# Altium PCB foxbms2-master.PcbDoc (part 2 of 12) (continued)
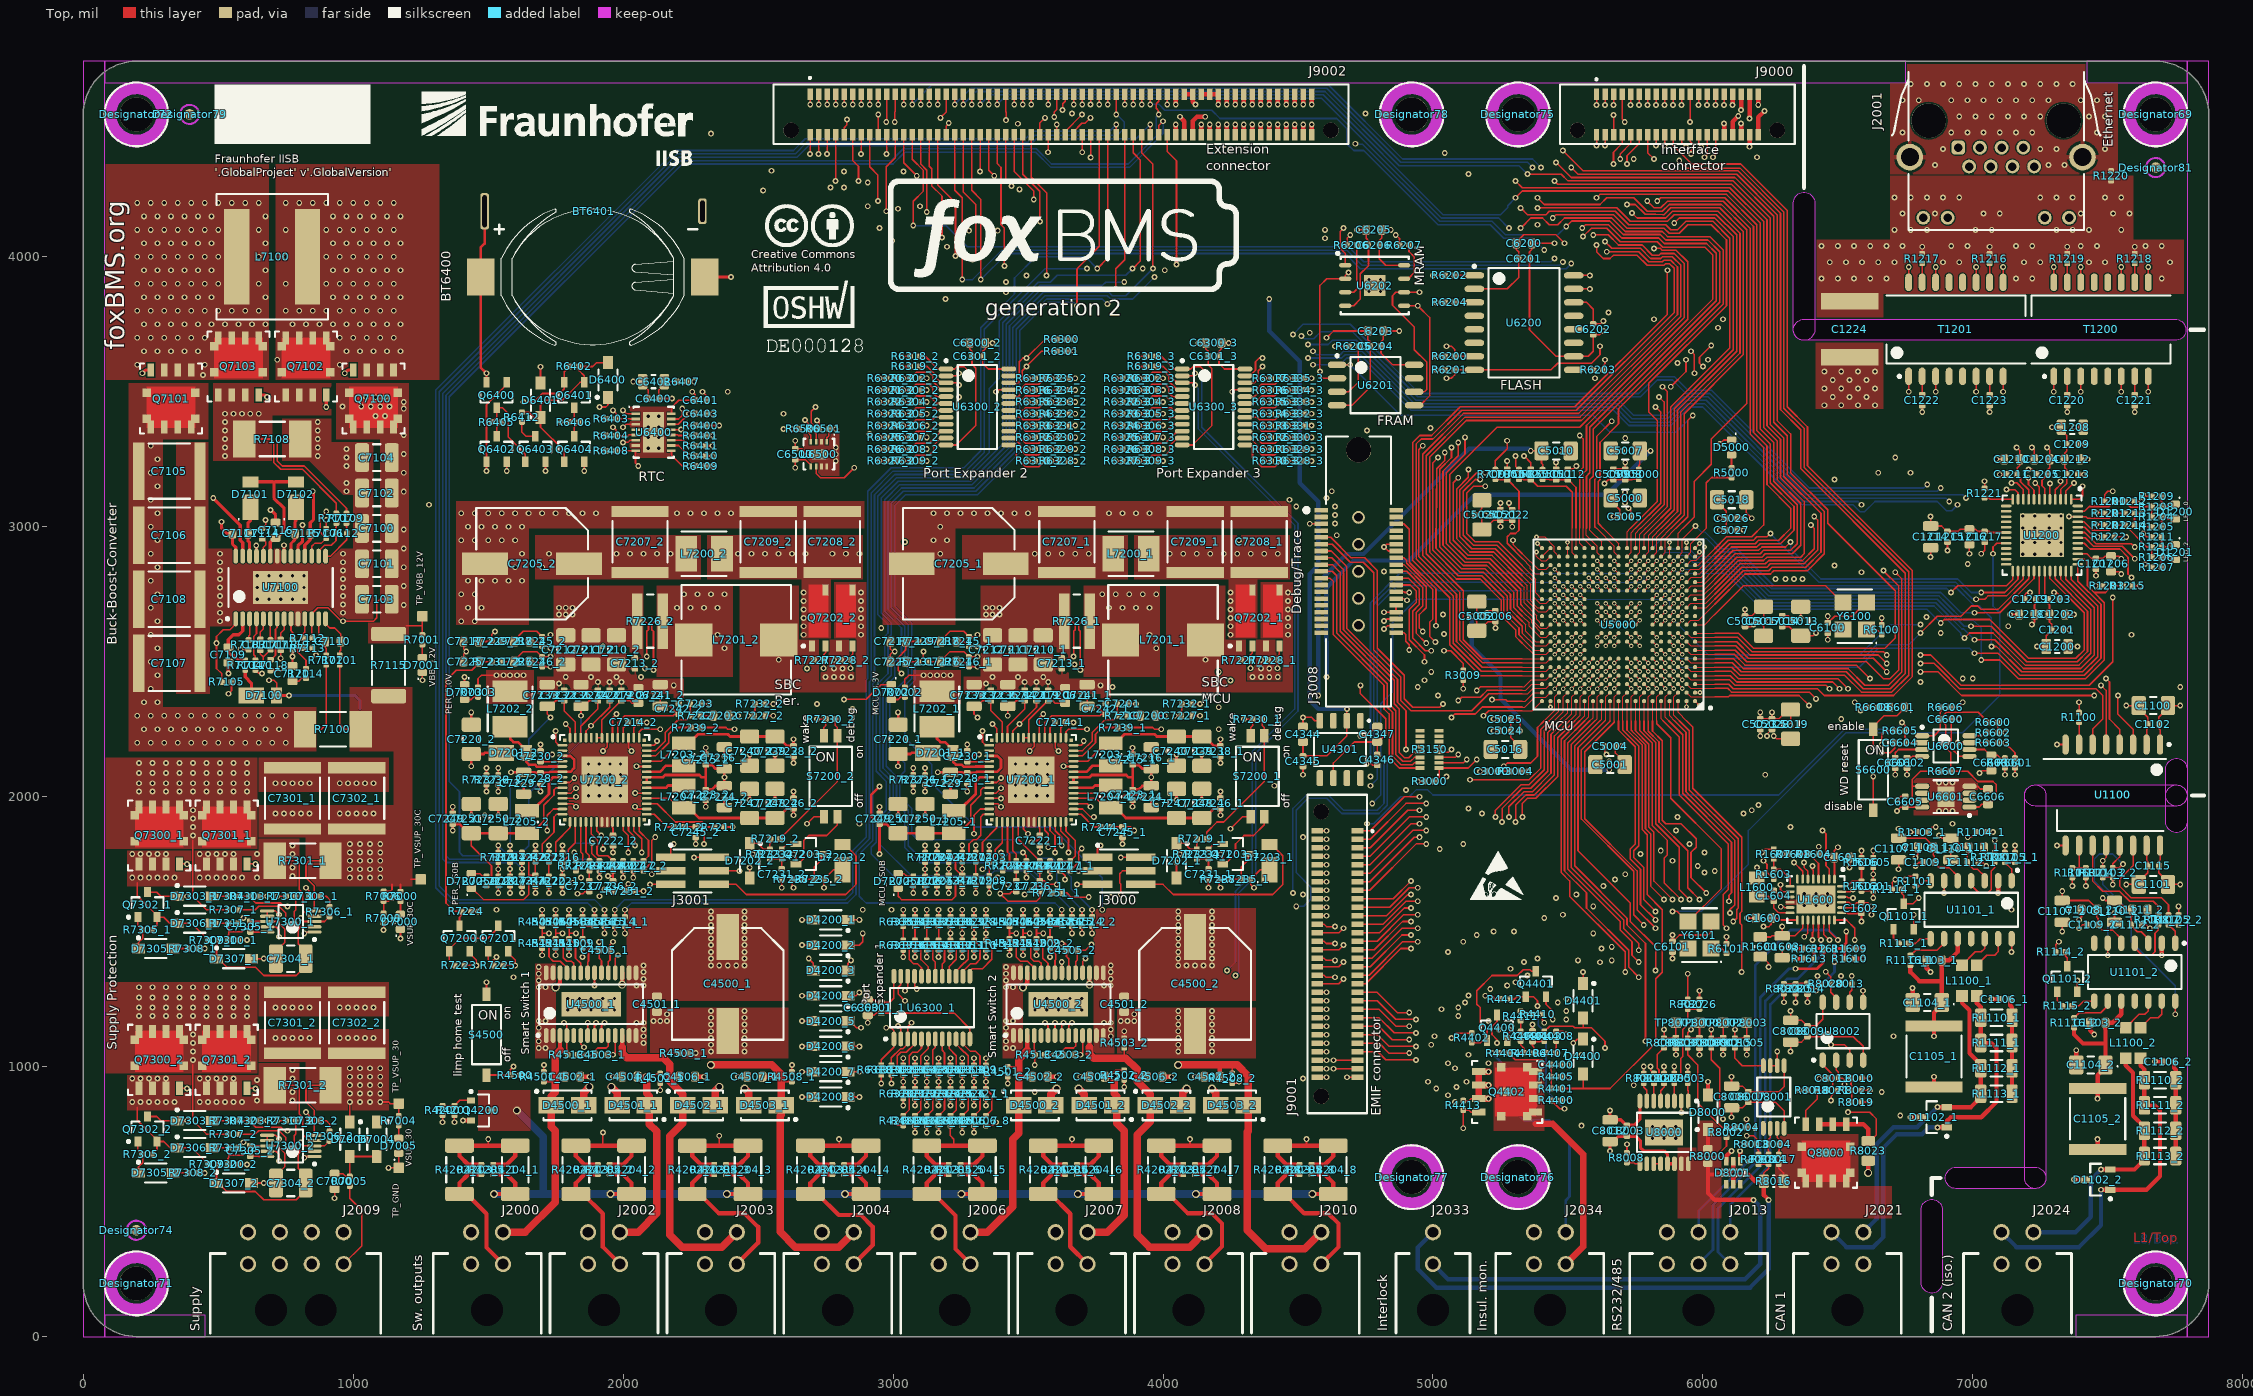
[diagram p0: Top view]
## Components (designator, comment, footprint, x,y, rotation, side; value= is the part's Value field where it differs from the comment) (continued)
R1204 "120R" RESC1005X04N 7681.25,3037.5 r180 top locked
R1205 "120R" RESC1005X04N 7681.25,3000 r180 top
R1206 "120R" RESC1005X04N 7681.25,2887.5 r180 top locked
R1207 "120R" RESC1005X04N 7681.25,2850 r180 top
R1208 "0R" RESC1005X04N 7681.25,3075 r0 top
R1209 "0R" RESC1005X04N 7681.25,3112.5 r0 top
R1210 "0R" RESC1005X04N 7681.25,2925 r0 top
R1211 "0R" RESC1005X04N 7681.25,2962.5 r0 top
R1212 "2k49" RESC1005X04N 7581.25,3093.75 r180 top
R1213 "2k49" RESC1005X04N 7581.25,3050 r180 top
R1214 "2k49" RESC1005X04N 7581.25,3006.25 r180 top
R1215 "2k49" RESC1005X04N 7573.97,2781.25 r180 top
R1216 "75R" RESC1005X04N 7062.5,3993.75 r270 top
R1217 "75R" RESC1005X04N 6812.5,3993.75 r270 top
R1218 "75R" RESC1005X04N 7600,3993.75 r270 top
R1219 "75R" RESC1005X04N 7350,3993.75 r270 top
R1220 "75R" RESC1005X04N 7512.5,4300 r90 top
R1221 "11k" RESC1005X04N 7043.75,3125 r270 top locked
R1222 "5k1" RESC1005X04N 7506.25,2962.5 r0 top locked
R1600 "2R" RESC2012X05N 6212.5,1443.75 r90 top
R1601 "10k" RESC1005X04N 6631.25,1668.75 r270 top locked
R1602 "10k" RESC1005X04N 6587.5,1668.75 r270 top locked
R1603 "10k" RESC1005X04N 6262.5,1712.5 r270 top locked
R1604 "10k" RESC1005X04N 6411.47,1787.5 r0 top locked
R1605 "10k" RESC1005X04N 6631.25,1756.25 r270 top
R1606 "10k" RESC1005X04N 6587.5,1756.25 r270 top
R1607 "10k" RESC1005X04N 6262.5,1787.5 r270 top
R1608 "10k" RESC1005X04N 6336.47,1787.5 r0 top
R1609 "390R" RESC1005X04N 6543.75,1437.5 r0 top
R1610 "390R" RESC1005X04N 6543.75,1400 r0 top locked
R1611 "220R" RESC1005X04N 6468.75,1437.5 r0 top locked
R1612 "390R" RESC1005X04N 6393.75,1437.5 r0 top
R1613 "390R" RESC1005X04N 6393.75,1400 r0 top
R3000 "5k1" RESC1005X04N 4987.5,2056.25 r0 top locked
R3004 "5k1" RESC1005X04N 5306.25,2093.75 r0 top
R3009 "5k1" RESC1005X04N 5112.5,2450 r270 top
R3150 "22R" PANASONIC_EXB2HV 4987.5,2175 r180 top locked
R4200 "100R" RESC1005X04N 1331.25,837.5 r90 top locked
R4201 "10k" RESC1005X04N 1375,837.5 r90 top
R4202_1 "86R6" RESC5025X07N 1393.75,617.72 r270 top (schematic designator R4202)
R4202_2 "86R6" RESC5025X07N 1825,617.72 r270 top (schematic designator R4202)
R4202_3 "86R6" RESC5025X07N 2256.25,617.72 r270 top (schematic designator R4202)
R4202_4 "86R6" RESC5025X07N 2693.75,617.72 r270 top (schematic designator R4202)
R4202_5 "86R6" RESC5025X07N 3125,617.72 r270 top (schematic designator R4202)
R4202_6 "86R6" RESC5025X07N 3556.25,617.72 r270 top (schematic designator R4202)
R4202_7 "86R6" RESC5025X07N 3993.75,617.72 r270 top (schematic designator R4202)
R4202_8 "86R6" RESC5025X07N 4425,617.72 r270 top (schematic designator R4202)
R4203_1 "5k6" RESC1005X04N 1475,618.75 r270 top locked (schematic designator R4203)
R4203_2 "5k6" RESC1005X04N 1906.25,618.75 r270 top locked (schematic designator R4203)
R4203_3 "5k6" RESC1005X04N 2337.5,618.75 r270 top locked (schematic designator R4203)
R4203_4 "5k6" RESC1005X04N 2775,618.75 r270 top locked (schematic designator R4203)
R4203_5 "5k6" RESC1005X04N 3206.25,618.75 r270 top locked (schematic designator R4203)
R4203_6 "5k6" RESC1005X04N 3637.5,618.75 r270 top locked (schematic designator R4203)
R4203_7 "5k6" RESC1005X04N 4075,618.75 r270 top locked (schematic designator R4203)
R4203_8 "5k6" RESC1005X04N 4506.25,618.75 r270 top locked (schematic designator R4203)
R4204_1 "33R" RESC5025X07N 1600,617.72 r90 top (schematic designator R4204)
R4204_2 "33R" RESC5025X07N 2031.25,617.72 r90 top (schematic designator R4204)
R4204_3 "33R" RESC5025X07N 2462.5,617.72 r90 top (schematic designator R4204)
R4204_4 "33R" RESC5025X07N 2900,617.72 r90 top (schematic designator R4204)
R4204_5 "33R" RESC5025X07N 3331.25,617.72 r90 top (schematic designator R4204)
R4204_6 "33R" RESC5025X07N 3762.5,617.72 r90 top (schematic designator R4204)
R4204_7 "33R" RESC5025X07N 4200,617.72 r90 top (schematic designator R4204)
R4204_8 "33R" RESC5025X07N 4631.25,617.72 r90 top (schematic designator R4204)
R4205_1 "2k49" RESC1005X04N 1518.75,618.75 r90 top (schematic designator R4205)
R4205_2 "2k49" RESC1005X04N 1950,618.75 r90 top (schematic designator R4205)
R4205_3 "2k49" RESC1005X04N 2381.25,618.75 r90 top (schematic designator R4205)
R4205_4 "2k49" RESC1005X04N 2818.75,618.75 r90 top (schematic designator R4205)
R4205_5 "2k49" RESC1005X04N 3250,618.75 r90 top (schematic designator R4205)
R4205_6 "2k49" RESC1005X04N 3681.25,618.75 r90 top (schematic designator R4205)
R4205_7 "2k49" RESC1005X04N 4118.75,618.75 r90 top (schematic designator R4205)
R4205_8 "2k49" RESC1005X04N 4550,618.75 r90 top (schematic designator R4205)
R4206_1 "5k6" RESC1005X04N 3037.5,800 r270 top (schematic designator R4206)
R4206_2 "5k6" RESC1005X04N 3081.25,800 r270 top (schematic designator R4206)
R4206_3 "5k6" RESC1005X04N 3125,800 r270 top (schematic designator R4206)
R4206_4 "5k6" RESC1005X04N 3168.75,800 r270 top (schematic designator R4206)
R4206_5 "5k6" RESC1005X04N 3212.5,800 r270 top (schematic designator R4206)
R4206_6 "5k6" RESC1005X04N 3256.25,800 r270 top (schematic designator R4206)
R4206_7 "5k6" RESC1005X04N 3300,800 r270 top (schematic designator R4206)
R4206_8 "5k6" RESC1005X04N 3343.75,800 r270 top (schematic designator R4206)
R4400 "100R" RESC1005X04N 5456.25,875 r180 top
R4401 "10k" RESC1005X04N 5456.25,918.75 r0 top
R4402 "10k" RESC1005X04N 5143.75,1106.25 r90 top
R4403 "10k" RESC1005X04N 5412.5,1112.5 r90 top
R4404 "1k5" RESC1005X04N 5262.5,1050 r180 top
R4405 "680R" RESC1005X04N 5456.25,962.5 r180 top
R4406 "1k5" RESC1005X04N 5356.25,1050 r180 top
R4407 "680R" RESC1005X04N 5437.5,1050 r180 top
R4408 "0R" RESC1005X04N 5456.25,1112.5 r270 top
R4409 "1k5" RESC1005X04N 5325,1112.5 r90 top
R4410 "0R" RESC1005X04N 5387.5,1193.75 r0 top
R4411 "680R" RESC1005X04N 5325,1187.5 r270 top
R4412 "10k" RESC1005X04N 5268.75,1250 r0 top
R4413 "10k" RESC1005X04N 5112.5,856.25 r270 top
R4500 "10k" RESC1005X04N 1600,968.75 r180 top
R4501_1 "47k5" RESC1005X04N 1706.25,962.5 r270 top locked (schematic designator R4501)
R4501_2 "47k5" RESC1005X04N 3425,981.25 r90 top locked (schematic designator R4501)
R4502_1 "47k5" RESC1005X04N 2137.5,956.25 r90 top locked (schematic designator R4502)
R4502_2 "47k5" RESC1005X04N 3856.25,968.75 r90 top locked (schematic designator R4502)
R4503_1 "47k5" RESC1005X04N 2225,1050 r180 top locked (schematic designator R4503)
R4503_2 "47k5" RESC1005X04N 3856.25,1087.5 r270 top locked (schematic designator R4503)
R4504_1 "10k" RESC1005X04N 1850,1537.5 r90 top locked (schematic designator R4504)
R4504_2 "10k" RESC1005X04N 3581.25,1537.5 r90 top locked (schematic designator R4504)
R4505_1 "10k" RESC1005X04N 1800,1537.5 r90 top locked (schematic designator R4505)
R4505_2 "10k" RESC1005X04N 3531.25,1537.5 r90 top locked (schematic designator R4505)
R4506_1 "10k" RESC1005X04N 1750,1537.5 r90 top locked (schematic designator R4506)
R4506_2 "10k" RESC1005X04N 3481.25,1537.5 r90 top locked (schematic designator R4506)
R4507_1 "10k" RESC1005X04N 1700,1537.5 r90 top locked (schematic designator R4507)
R4507_2 "10k" RESC1005X04N 3431.25,1537.5 r90 top locked (schematic designator R4507)
R4508_1 "47k5" RESC1005X04N 2625,962.5 r270 top locked (schematic designator R4508)
R4508_2 "47k5" RESC1005X04N 4256.25,956.25 r90 top locked (schematic designator R4508)
R4509_1 "10k" RESC1005X04N 1850,1456.25 r90 top (schematic designator R4509)
R4509_2 "10k" RESC1005X04N 3581.25,1456.25 r90 top (schematic designator R4509)
R4510_1 "10k" RESC1005X04N 1800,1456.25 r90 top (schematic designator R4510)
R4510_2 "10k" RESC1005X04N 3531.25,1456.25 r90 top (schematic designator R4510)
R4511_1 "10k" RESC1005X04N 1750,1456.25 r90 top (schematic designator R4511)
R4511_2 "10k" RESC1005X04N 3481.25,1456.25 r90 top (schematic designator R4511)
R4512_1 "10k" RESC1005X04N 1700,1456.25 r90 top (schematic designator R4512)
R4512_2 "10k" RESC1005X04N 3431.25,1456.25 r90 top (schematic designator R4512)
R4513_1 "47k5" RESC1005X04N 1812.5,1043.75 r0 top (schematic designator R4513)
R4513_2 "47k5" RESC1005X04N 3543.75,1043.75 r0 top (schematic designator R4513)
R4514_1 "0R" RESC1005X04N 2006.25,1537.5 r270 top (schematic designator R4514)
R4514_2 "0R" RESC1005X04N 3737.5,1537.5 r270 top (schematic designator R4514)
R4515_1 "0R" RESC1005X04N 1968.75,1537.5 r270 top (schematic designator R4515)
R4515_2 "0R" RESC1005X04N 3700,1537.5 r270 top (schematic designator R4515)
R4516_1 "0R" RESC1005X04N 1931.25,1537.5 r270 top (schematic designator R4516)
R4516_2 "0R" RESC1005X04N 3662.5,1537.5 r270 top (schematic designator R4516)
R4517_1 "0R" RESC1005X04N 1893.75,1537.5 r270 top (schematic designator R4517)
R4517_2 "0R" RESC1005X04N 3625,1537.5 r270 top (schematic designator R4517)
R5000 "33R" RESC1005X04N 6106.25,3200 r270 top
R6100 "10k" RESC1005X04N 6662.5,2618.75 r270 top
R6101 "10k" RESC1005X04N 6087.5,1437.5 r270 top
R6200 "100k" RESC1005X04N 5062.5,3631.25 r180 top
R6201 "100k" RESC1005X04N 5062.5,3581.25 r180 top
R6202 "100k" RESC1005X04N 5062.5,3931.25 r180 top
R6203 "100k" RESC1005X04N 5612.5,3581.25 r0 top
R6204 "100k" RESC1005X04N 5062.5,3831.25 r180 top
R6205 "100k" RESC1005X04N 4706.25,3668.75 r180 top
R6206 "100k" RESC1005X04N 4700,4043.75 r180 top
R6207 "100k" RESC1005X04N 4893.75,4043.75 r180 top
R6300 "2k49" RESC1005X04N 3625,3693.75 r0 top
R6301 "2k49" RESC1005X04N 3625,3650 r0 top
R6302_1 "10k" RESC1005X04N 3037.5,987.5 r90 top locked (schematic designator R6302)
R6302_2 "10k" RESC1005X04N 3081.25,3550 r0 top locked (schematic designator R6302)
R6302_3 "10k" RESC1005X04N 3956.25,3550 r0 top locked (schematic designator R6302)
R6303_1 "10k" RESC1005X04N 3081.25,987.5 r90 top locked (schematic designator R6303)
R6303_2 "10k" RESC1005X04N 3081.25,3506.25 r0 top locked (schematic designator R6303)
R6303_3 "10k" RESC1005X04N 3956.25,3506.25 r0 top locked (schematic designator R6303)
R6304_1 "10k" RESC1005X04N 3125,987.5 r90 top locked (schematic designator R6304)
R6304_2 "10k" RESC1005X04N 3081.25,3462.5 r0 top locked (schematic designator R6304)
R6304_3 "10k" RESC1005X04N 3956.25,3462.5 r0 top locked (schematic designator R6304)
R6305_1 "10k" RESC1005X04N 3168.75,987.5 r90 top locked (schematic designator R6305)
R6305_2 "10k" RESC1005X04N 3081.25,3418.75 r0 top locked (schematic designator R6305)
R6305_3 "10k" RESC1005X04N 3956.25,3418.75 r0 top locked (schematic designator R6305)
R6306_1 "10k" RESC1005X04N 3212.5,987.5 r90 top locked (schematic designator R6306)
R6306_2 "10k" RESC1005X04N 3081.25,3375 r0 top locked (schematic designator R6306)
R6306_3 "10k" RESC1005X04N 3956.25,3375 r0 top locked (schematic designator R6306)
R6307_1 "10k" RESC1005X04N 3256.25,987.5 r90 top locked (schematic designator R6307)
R6307_2 "10k" RESC1005X04N 3081.25,3331.25 r0 top locked (schematic designator R6307)
R6307_3 "10k" RESC1005X04N 3956.25,3331.25 r0 top locked (schematic designator R6307)
R6308_1 "10k" RESC1005X04N 3300,987.5 r90 top locked (schematic designator R6308)
R6308_2 "10k" RESC1005X04N 3081.25,3287.5 r0 top locked (schematic designator R6308)
R6308_3 "10k" RESC1005X04N 3956.25,3287.5 r0 top (schematic designator R6308)
R6309_1 "10k" RESC1005X04N 3343.75,987.5 r90 top locked (schematic designator R6309)
R6309_2 "10k" RESC1005X04N 3081.25,3243.75 r0 top locked (schematic designator R6309)
R6309_3 "10k" RESC1005X04N 3956.25,3243.75 r0 top locked (schematic designator R6309)
R6310_1 "10k" RESC1005X04N 3343.75,1450 r270 top locked (schematic designator R6310)
R6310_2 "10k" RESC1005X04N 3543.75,3243.75 r180 top locked (schematic designator R6310)
R6310_3 "10k" RESC1005X04N 4418.75,3243.75 r180 top locked (schematic designator R6310)
R6311_1 "10k" RESC1005X04N 3300,1450 r270 top locked (schematic designator R6311)
R6311_2 "10k" RESC1005X04N 3543.75,3287.5 r180 top locked (schematic designator R6311)
R6311_3 "10k" RESC1005X04N 4418.75,3287.5 r180 top locked (schematic designator R6311)
R6312_1 "10k" RESC1005X04N 3256.25,1450 r270 top locked (schematic designator R6312)
R6312_2 "10k" RESC1005X04N 3543.75,3331.25 r180 top locked (schematic designator R6312)
R6312_3 "10k" RESC1005X04N 4418.75,3331.25 r180 top locked (schematic designator R6312)
R6313_1 "10k" RESC1005X04N 3212.5,1450 r270 top locked (schematic designator R6313)
R6313_2 "10k" RESC1005X04N 3543.75,3375 r180 top locked (schematic designator R6313)
R6313_3 "10k" RESC1005X04N 4418.75,3375 r180 top locked (schematic designator R6313)
R6314_1 "10k" RESC1005X04N 3168.75,1450 r270 top locked (schematic designator R6314)
R6314_2 "10k" RESC1005X04N 3543.75,3418.75 r180 top locked (schematic designator R6314)
R6314_3 "10k" RESC1005X04N 4418.75,3418.75 r180 top locked (schematic designator R6314)
R6315_1 "10k" RESC1005X04N 3125,1450 r270 top locked (schematic designator R6315)
R6315_2 "10k" RESC1005X04N 3543.75,3462.5 r180 top locked (schematic designator R6315)
R6315_3 "10k" RESC1005X04N 4418.75,3462.5 r180 top locked (schematic designator R6315)
R6316_1 "10k" RESC1005X04N 3081.25,1450 r270 top locked (schematic designator R6316)
R6316_2 "10k" RESC1005X04N 3543.75,3506.25 r180 top locked (schematic designator R6316)
R6316_3 "10k" RESC1005X04N 4418.75,3506.25 r180 top locked (schematic designator R6316)
R6317_1 "10k" RESC1005X04N 3037.5,1450 r270 top locked (schematic designator R6317)
R6317_2 "10k" RESC1005X04N 3543.75,3550 r180 top locked (schematic designator R6317)
R6317_3 "10k" RESC1005X04N 4418.75,3550 r180 top locked (schematic designator R6317)
R6318_1 "10k" RESC1005X04N 2956.25,987.5 r270 top (schematic designator R6318)
R6318_2 "10k" RESC1005X04N 3081.25,3631.25 r180 top (schematic designator R6318)
R6318_3 "10k" RESC1005X04N 3956.25,3631.25 r180 top (schematic designator R6318)
R6319_1 "10k" RESC1005X04N 2993.75,987.5 r270 top (schematic designator R6319)
R6319_2 "10k" RESC1005X04N 3081.25,3593.75 r180 top (schematic designator R6319)
R6319_3 "10k" RESC1005X04N 3956.25,3593.75 r180 top (schematic designator R6319)
R6320_1 "10k" RESC1005X04N 3037.5,900 r90 top (schematic designator R6320)
R6320_2 "10k" RESC1005X04N 2993.75,3550 r0 top (schematic designator R6320)
R6320_3 "10k" RESC1005X04N 3868.75,3550 r0 top (schematic designator R6320)
R6321_1 "10k" RESC1005X04N 3081.25,900 r90 top (schematic designator R6321)
R6321_2 "10k" RESC1005X04N 2993.75,3506.25 r0 top (schematic designator R6321)
R6321_3 "10k" RESC1005X04N 3868.75,3506.25 r0 top (schematic designator R6321)
R6322_1 "10k" RESC1005X04N 3125,900 r90 top (schematic designator R6322)
R6322_2 "10k" RESC1005X04N 2993.75,3462.5 r0 top (schematic designator R6322)
R6322_3 "10k" RESC1005X04N 3868.75,3462.5 r0 top (schematic designator R6322)
R6323_1 "10k" RESC1005X04N 3168.75,900 r90 top (schematic designator R6323)
R6323_2 "10k" RESC1005X04N 2993.75,3418.75 r0 top (schematic designator R6323)
R6323_3 "10k" RESC1005X04N 3868.75,3418.75 r0 top (schematic designator R6323)
R6324_1 "10k" RESC1005X04N 3212.5,900 r90 top (schematic designator R6324)
R6324_2 "10k" RESC1005X04N 2993.75,3375 r0 top (schematic designator R6324)
R6324_3 "10k" RESC1005X04N 3868.75,3375 r0 top (schematic designator R6324)
R6325_1 "10k" RESC1005X04N 3256.25,900 r90 top (schematic designator R6325)
R6325_2 "10k" RESC1005X04N 2993.75,3331.25 r0 top (schematic designator R6325)
R6325_3 "10k" RESC1005X04N 3868.75,3331.25 r0 top (schematic designator R6325)
R6326_1 "10k" RESC1005X04N 3300,900 r90 top (schematic designator R6326)
R6326_2 "10k" RESC1005X04N 2993.75,3287.5 r0 top (schematic designator R6326)
R6326_3 "10k" RESC1005X04N 3868.75,3287.5 r0 top (schematic designator R6326)
R6327_1 "10k" RESC1005X04N 3343.75,900 r90 top (schematic designator R6327)
R6327_2 "10k" RESC1005X04N 2993.75,3243.75 r0 top (schematic designator R6327)
R6327_3 "10k" RESC1005X04N 3868.75,3243.75 r0 top (schematic designator R6327)
R6328_1 "10k" RESC1005X04N 3343.75,1537.5 r270 top (schematic designator R6328)
R6328_2 "10k" RESC1005X04N 3631.25,3243.75 r180 top (schematic designator R6328)
R6328_3 "10k" RESC1005X04N 4506.25,3243.75 r180 top (schematic designator R6328)
R6329_1 "10k" RESC1005X04N 3300,1537.5 r270 top (schematic designator R6329)
R6329_2 "10k" RESC1005X04N 3631.25,3287.5 r180 top (schematic designator R6329)
R6329_3 "10k" RESC1005X04N 4506.25,3287.5 r180 top (schematic designator R6329)
R6330_1 "10k" RESC1005X04N 3256.25,1537.5 r270 top (schematic designator R6330)
R6330_2 "10k" RESC1005X04N 3631.25,3331.25 r180 top (schematic designator R6330)
R6330_3 "10k" RESC1005X04N 4506.25,3331.25 r180 top (schematic designator R6330)
R6331_1 "10k" RESC1005X04N 3212.5,1537.5 r270 top (schematic designator R6331)
R6331_2 "10k" RESC1005X04N 3631.25,3375 r180 top (schematic designator R6331)
R6331_3 "10k" RESC1005X04N 4506.25,3375 r180 top (schematic designator R6331)
R6332_1 "10k" RESC1005X04N 3168.75,1537.5 r270 top (schematic designator R6332)
R6332_2 "10k" RESC1005X04N 3631.25,3418.75 r180 top (schematic designator R6332)
R6332_3 "10k" RESC1005X04N 4506.25,3418.75 r180 top (schematic designator R6332)
R6333_1 "10k" RESC1005X04N 3125,1537.5 r270 top (schematic designator R6333)
R6333_2 "10k" RESC1005X04N 3631.25,3462.5 r180 top (schematic designator R6333)
R6333_3 "10k" RESC1005X04N 4506.25,3462.5 r180 top (schematic designator R6333)
R6334_1 "10k" RESC1005X04N 3081.25,1537.5 r270 top (schematic designator R6334)
R6334_2 "10k" RESC1005X04N 3631.25,3506.25 r180 top (schematic designator R6334)
R6334_3 "10k" RESC1005X04N 4506.25,3506.25 r180 top (schematic designator R6334)
R6335_1 "10k" RESC1005X04N 3037.5,1537.5 r270 top (schematic designator R6335)
R6335_2 "10k" RESC1005X04N 3631.25,3550 r180 top (schematic designator R6335)
R6335_3 "10k" RESC1005X04N 4506.25,3550 r180 top (schematic designator R6335)
R6400 "10k" RESC1005X04N 2287.5,3375 r0 top
R6401 "10k" RESC1005X04N 2287.5,3337.5 r0 top
R6402 "100k" RESC1005X04N 1818.75,3593.75 r180 top
R6403 "2k49" RESC1005X04N 1956.25,3400 r180 top
R6404 "2k49" RESC1005X04N 1956.25,3337.5 r180 top
R6405 "10k" RESC1005X04N 1531.25,3387.5 r180 top locked
R6406 "10k" RESC1005X04N 1818.75,3387.5 r180 top locked
R6407 "100R" RESC1005X04N 2218.75,3537.5 r0 top locked
R6408 "100k" RESC1005X04N 1956.25,3281.25 r180 top locked
R6409 "100k" RESC1005X04N 2287.5,3225 r0 top locked
R6410 "100k" RESC1005X04N 2287.5,3262.5 r0 top locked
R6411 "100k" RESC1005X04N 2287.5,3300 r0 top locked
R6412 "100k" RESC1005X04N 1625,3406.25 r90 top
R6500 "2k49" RESC1005X04N 2668.75,3362.5 r180 top locked
R6501 "2k49" RESC1005X04N 2743.75,3362.5 r180 top locked
R6600 "10k" RESC1005X04N 7075,2275 r180 top
R6601 "10k" RESC1005X04N 7156.25,2125 r270 top
R6602 "0R" RESC1005X04N 7075,2237.5 r0 top locked
R6603 "0R" RESC1005X04N 7075,2200 r0 top
R6604 "20k" RESC1005X04N 7118.75,2125 r90 top locked
R6605 "10k" RESC1005X04N 6731.25,2243.75 r180 top
R6606 "0R" RESC1005X04N 6900,2331.25 r180 top
R6607 "0R" RESC1005X04N 6900,2093.75 r0 top locked
R6608 "220R" RESC1005X04N 6631.25,2331.25 r180 top locked
R7000 "5k6" RESC1005X04N 1175,1630.22 r90 top locked
R7001 "1k91" RESC1005X04N 1256.25,2581.25 r90 top locked
R7002 "220R" RESC1005X04N 3043.75,2387.5 r90 top locked
R7003 "390R" RESC1005X04N 1462.5,2387.5 r90 top locked
R7004 "5k6" RESC1005X04N 1168.75,800 r90 top
R7005 "10k" RESC1005X04N 987.5,575 r270 top
R7006 "10k" RESC1005X04N 1112.5,1631.25 r90 top
R7007 "220R" RESC1005X04N 5231.25,3193.75 r270 top
R7008 "866R" RESC1005X04N 1112.5,1550 r90 top
R7100 "0R005" PANASONIC_ERJMS4H 925,2250 r180 top
R7101 "100R" RESC1005X04N 950,2506.25 r270 top locked
R7102 "100R" RESC1005X04N 900,2506.25 r270 top locked
R7103 "2k49" RESC1005X04N 612.5,2562.5 r270 top locked
R7104 "10R" RESC1005X04N 600,2487.5 r270 top
R7105 "10k" RESC1005X04N 531.25,2425 r0 top locked
R7106 "10k" RESC1005X04N 900,2975 r90 top locked
R7107 "100R" RESC1005X04N 937.5,3031.25 r270 top locked
R7108 "0R005" PANASONIC_ERJMS4H 700,3325 r180 top
R7109 "100R" RESC1005X04N 975,3031.25 r270 top
R7110 "93k1" RESC1005X04N 637.5,2487.5 r90 top locked
R7111 "23k7" RESC1005X04N 693.75,2562.5 r90 top locked
R7112 "280k" RESC1005X04N 831.25,2587.5 r180 top locked
R7113 "20k" RESC1005X04N 831.25,2550 r180 top
R7114 "4k7" RESC1005X04N 825,2456.25 r90 top locked
R7115 "0R" RESC6331X07N 1131.25,2487.5 r90 top
R7200 "10k" RESC1005X04N 3162.5,1775 r90 top locked
R7201 "10k" RESC1005X04N 3118.75,1775 r90 top locked
R7202 "100R" RESC1005X04N 3406.25,1743.75 r90 top locked
R7203 "10k" RESC1005X04N 3356.25,1775 r90 top locked
R7204 "10k" RESC1005X04N 3306.25,1775 r90 top locked
R7205 "20k" RESC1005X04N 3162.5,1687.5 r90 top
R7206 "1k91" RESC1005X04N 3118.75,1687.5 r90 top
R7207_1 "5k1" RESC1005X04N 3618.75,1743.75 r90 top (schematic designator R7207)
R7207_2 "5k1" RESC1005X04N 2037.5,1743.75 r90 top (schematic designator R7207)
R7208 "26k7" RESC1005X04N 3356.25,1688.53 r90 top
R7209 "4k7" RESC1005X04N 3306.25,1688.53 r90 top
R7210 "4k7" RESC1005X04N 3850,2300 r180 top locked
R7211 "0R" RESC1005X04N 2356.25,1887.5 r180 top locked
R7212 "10k" RESC1005X04N 1581.25,1775 r90 top locked
R7213 "10k" RESC1005X04N 1537.5,1775 r90 top locked
R7214 "100R" RESC1005X04N 1825,1743.75 r90 top locked
R7215 "10k" RESC1005X04N 1725,1775 r90 top locked
R7216 "10k" RESC1005X04N 1775,1775 r90 top locked
R7217 "3k24" RESC1005X04N 1581.25,1687.5 r90 top
R7218 "1k91" RESC1005X04N 1537.5,1687.5 r90 top
R7219_1 "0R" RESC1005X04N 4144.78,1843.75 r0 top (schematic designator R7219)
R7219_2 "0R" RESC1005X04N 2563.53,1843.75 r0 top (schematic designator R7219)
R7220 "20k" RESC1005X04N 1725,1687.5 r90 top
R7221 "1k91" RESC1005X04N 1775,1687.5 r90 top
R7222 "6k98" RESC1005X04N 2268.75,2300 r180 top locked
R7223 "100k" RESC1005X04N 1393.75,1375 r180 top locked
R7224 "10k" RESC1005X04N 1418.75,1575 r180 top
R7225 "100k" RESC1005X04N 1537.5,1375 r0 top
R7226_1 "0R015" PANASONIC_ERJ-B1 3681.25,2650 r180 top locked (schematic designator R7226)
R7226_2 "0R015" PANASONIC_ERJ-B1 2100,2650 r180 top locked (schematic designator R7226)
R7227_1 "1M" RESC1005X04N 4306.25,2506.25 r180 top locked (schematic designator R7227)
R7227_2 "1M" RESC1005X04N 2725,2506.25 r180 top (schematic designator R7227)
R7228_1 "1M" RESC1005X04N 4406.25,2506.25 r0 top locked (schematic designator R7228)
R7228_2 "1M" RESC1005X04N 2825,2506.25 r0 top (schematic designator R7228)
R7229_1 "5k1" RESC1005X04N 3112.5,2575 r180 top (schematic designator R7229)
R7229_2 "5k1" RESC1005X04N 1531.25,2575 r180 top (schematic designator R7229)
R7230_1 "10k" RESC1005X04N 4350,2287.5 r180 top (schematic designator R7230)
R7230_2 "10k" RESC1005X04N 2768.75,2287.5 r180 top (schematic designator R7230)
R7231_1 "5k1" RESC1005X04N 3112.5,2500 r180 top (schematic designator R7231)
R7231_2 "5k1" RESC1005X04N 1531.25,2500 r180 top locked (schematic designator R7231)
R7232_1 "5k1" RESC1005X04N 4087.5,2343.75 r0 top (schematic designator R7232)
R7232_2 "5k1" RESC1005X04N 2506.25,2343.75 r0 top locked (schematic designator R7232)
R7233_1 "100k" RESC1005X04N 4125,1787.5 r90 top (schematic designator R7233)
R7233_2 "100k" RESC1005X04N 2543.75,1787.5 r90 top locked (schematic designator R7233)
R7234_1 "220R" RESC1005X04N 4168.75,1787.5 r90 top (schematic designator R7234)
R7234_2 "220R" RESC1005X04N 2587.5,1787.5 r90 top (schematic designator R7234)
R7235_1 "5k1" RESC1005X04N 4307.28,1693.75 r180 top (schematic designator R7235)
R7235_2 "5k1" RESC1005X04N 2726.03,1693.75 r180 top locked (schematic designator R7235)
R7236_1 "2k49" RESC1005X04N 3118.75,2062.5 r90 top locked (schematic designator R7236)
R7236_2 "2k49" RESC1005X04N 1537.5,2062.5 r90 top locked (schematic designator R7236)
R7237_1 "2k49" RESC1005X04N 3075,2062.5 r90 top locked (schematic designator R7237)
R7237_2 "2k49" RESC1005X04N 1493.75,2062.5 r90 top locked (schematic designator R7237)
R7238_1 "100k" RESC1005X04N 4226.03,1693.75 r0 top (schematic designator R7238)
R7238_2 "100k" RESC1005X04N 2644.78,1693.75 r0 top (schematic designator R7238)
R7239_1 "10k" RESC1005X04N 3850,2256.25 r180 top locked (schematic designator R7239)
R7239_2 "10k" RESC1005X04N 2268.75,2256.25 r180 top locked (schematic designator R7239)
R7240_1 "5k1" RESC1005X04N 3581.25,1743.75 r270 top (schematic designator R7240)
R7240_2 "5k1" RESC1005X04N 2000,1743.75 r270 top (schematic designator R7240)
R7241_1 "5k1" RESC1005X04N 3493.75,1743.75 r270 top (schematic designator R7241)
R7241_2 "5k1" RESC1005X04N 1912.5,1743.75 r270 top (schematic designator R7241)
R7242_1 "5k1" RESC1005X04N 3256.25,1775 r90 top (schematic designator R7242)
R7242_2 "5k1" RESC1005X04N 1675,1775 r90 top (schematic designator R7242)
R7243_1 "5k1" RESC1005X04N 3206.25,1775 r270 top (schematic designator R7243)
R7243_2 "5k1" RESC1005X04N 1625,1775 r270 top (schematic designator R7243)
R7244_1 "220R" RESC1005X04N 3787.5,1887.5 r0 top locked (schematic designator R7244)
R7244_2 "220R" RESC1005X04N 2206.25,1887.5 r0 top locked (schematic designator R7244)
R7245_1 "10k" RESC1005X04N 3281.25,2575 r270 top (schematic designator R7245)
R7245_2 "10k" RESC1005X04N 1700,2575 r270 top locked (schematic designator R7245)
R7246_1 "10k" RESC1005X04N 3281.25,2500 r270 top (schematic designator R7246)
R7246_2 "10k" RESC1005X04N 1700,2500 r270 top locked (schematic designator R7246)
R7247_1 "0R" RESC1005X04N 3656.25,1743.75 r90 top locked (schematic designator R7247)
R7247_2 "0R" RESC1005X04N 2075,1743.75 r90 top locked (schematic designator R7247)
R7248_1 "0R" RESC1005X04N 3543.75,1743.75 r90 top locked (schematic designator R7248)
R7248_2 "0R" RESC1005X04N 1962.5,1743.75 r90 top locked (schematic designator R7248)
R7249_1 "0R" RESC1005X04N 3456.25,1743.75 r270 top locked (schematic designator R7249)
R7249_2 "0R" RESC1005X04N 1875,1743.75 r270 top locked (schematic designator R7249)
R7250_1 "220R" RESC1005X04N 3075,1687.5 r270 top locked (schematic designator R7250)
R7250_2 "220R" RESC1005X04N 1493.75,1687.5 r270 top locked (schematic designator R7250)
R7251_1 "100k" RESC1005X04N 3606.25,1643.75 r0 top (schematic designator R7251)
R7251_2 "100k" RESC1005X04N 2025,1650 r0 top (schematic designator R7251)
R7301_1 "0R005" PANASONIC_ERJMS4H 812.5,1762.5 r0 top (schematic designator R7301)
R7301_2 "0R005" PANASONIC_ERJMS4H 812.5,931.25 r0 top (schematic designator R7301)
R7303_1 "10R" RESC1005X04N 631.25,1631.25 r0 top (schematic designator R7303)
R7303_2 "10R" RESC1005X04N 631.25,800 r0 top locked (schematic designator R7303)
R7304_1 "240k" RESC1005X04N 556.25,1631.25 r180 top (schematic designator R7304)
R7304_2 "240k" RESC1005X04N 556.25,800 r180 top (schematic designator R7304)
R7305_1 "240k" RESC1005X04N 237.5,1506.25 r0 top (schematic designator R7305)
R7305_2 "240k" RESC1005X04N 237.5,675 r0 top (schematic designator R7305)
R7306_1 "33R" RESC1005X04N 912.5,1573.97 r270 top (schematic designator R7306)
R7306_2 "33R" RESC1005X04N 912.5,742.72 r270 top locked (schematic designator R7306)
R7307_1 "100k" RESC1005X04N 556.25,1581.25 r180 top (schematic designator R7307)
R7307_2 "100k" RESC1005X04N 556.25,750 r180 top locked (schematic designator R7307)
R7308_1 "10k" RESC1005X04N 406.25,1437.5 r180 top (schematic designator R7308)
R7308_2 "10k" RESC1005X04N 406.25,606.25 r180 top (schematic designator R7308)
R7309_1 "10k" RESC1005X04N 481.25,1468.75 r180 top (schematic designator R7309)
R7309_2 "10k" RESC1005X04N 481.25,637.5 r180 top locked (schematic designator R7309)
R7310_1 "0R" RESC1005X04N 768.75,1631.25 r0 top (schematic designator R7310)
R7310_2 "0R" RESC1005X04N 768.75,800 r0 top (schematic designator R7310)
R7311_1 "240k" RESC1005X04N 556.25,1531.25 r180 top (schematic designator R7311)
R7311_2 "240k" RESC1005X04N 556.25,700 r180 top (schematic designator R7311)
R8000 "330R" RESC1608X05N 6018.75,668.75 r90 top
R8001 "10k" RESC1005X04N 5943.75,1087.5 r270 top
R8002 "5k6" RESC1005X04N 6087.5,756.25 r270 top locked
R8003 "10k" RESC1005X04N 5943.75,956.25 r90 top locked
R8004 "3k9" RESC1005X04N 6143.75,775 r180 top
R8005 "10k" RESC1005X04N 5893.75,956.25 r90 top locked
R8006 "10k" RESC1005X04N 5856.25,1087.5 r270 top locked
R8007 "10k" RESC1005X04N 5856.25,956.25 r90 top locked
R8008 "10k" RESC1005X04N 5718.75,662.5 r90 top locked
R8009 "10k" RESC1005X04N 6031.25,1087.5 r270 top
R8010 "5k6" RESC1005X04N 6206.25,656.25 r270 top locked
R8011 "2k49" RESC1005X04N 5781.25,956.25 r90 top locked